# KiCad board Mainboard.kicad_pcb (continued)
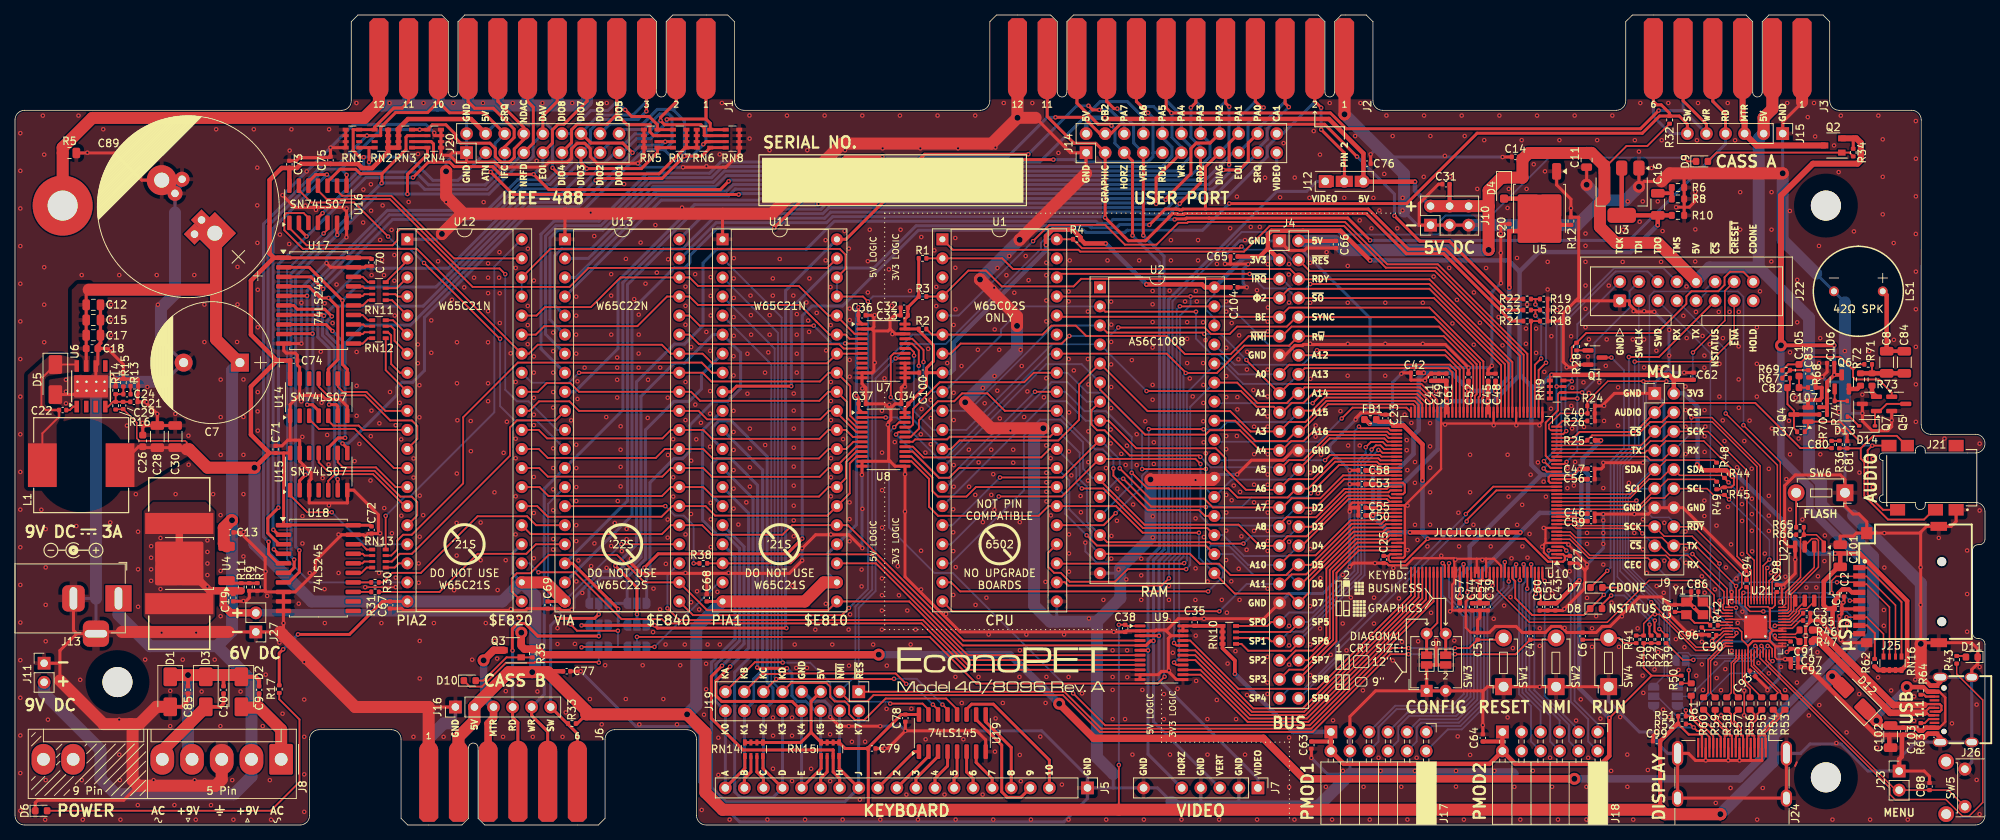
[diagram p0: board, top side]
## Routing (per net, layer and track width the routed paths; a pad name or vN(x,y) marks a point on that pad's centre or on a via; arc(x,y) is an arc through that point) (continued)
/IEEE/NDAC: length 101.1
  Top w0.4: 53.93,92.67 54.96,92.67 55.61,93.32 57.41,93.32 58.73,92.01 58.73,91.52 59.38,90.87 63.28,90.87 64,90.15 64,89.08 64.74,88.35 65.9,88.35 66.52,88.97 66.52,90.1 67.8,91.37 J20.8 67.8,92.98 64.34,96.44 J1.8 ; 53.93,92.67 52.9,92.67 ; 53.93,92.67 v1(53.93,92.67) ; U18.4 35.09,36.14 v1(34.49,36.74) ; v1(44.19,86.64) 44.18,86.63 U16.8
  Bottom w0.4: 43.45,87.42 48.71,92.67 v1(53.93,92.67) ; 43.45,87.42 44.19,86.68 v1(44.19,86.64) ; 43.45,87.42 41.29,87.42 33.72,79.84 33.72,38.8 34.49,38.03 v1(34.49,36.74)
/IEEE/NDAC_IN: length 34.4
  Top w0.25: RN13.6 50.22,35.11 51.25,36.14 52.88,36.14 65.96,49.22 65.96,52.99 66.89,53.92 72.01,53.92 U13.10
/IEEE/NDAC_OUT: length 29
  Top w0.25: U12.39 58.49,75.51 50.14,83.86 43.59,83.86 42.91,84.54 U16.9
/IEEE/NRFD: length 107.8
  Top w0.4: 48.89,86.79 46.01,86.79 45.4,87.39 43.32,87.39 41.64,85.71 U16.10 ; 48.89,86.79 52.1,90 52.1,91.67 52.3,91.87 54.96,91.87 ; 48.89,86.79 48.89,85.58 v1(48.85,85.53) ; J1.7 68.3,96.43 69.07,95.66 69.07,90.87 J20.7 ; U18.6 36.51,33.6 37.2,34.29 v1(37.2,35.37)
  Bottom w0.4: J20.7 62.92,84.72 54.59,84.72 53.75,85.56 48.88,85.56 v1(48.85,85.53) 48.83,85.53 36.79,73.48 36.79,35.78 v1(37.2,35.37)
/IEEE/NRFD_IN: length 28.9
  Top w0.25: R30.2 49.01,32.33 50.28,33.6 54.09,33.6 61.63,41.14 68.24,41.14 69.43,39.95 U13.16
/IEEE/NRFD_OUT: length 55.8
  Top w0.25: v1(65.33,73.41) 64.57,74.17 59.2,74.17 49.96,83.41 41.53,83.41 40.37,84.57 U16.11
  Bottom w0.25: U13.11 72.24,52.65 68.43,56.46 66.88,56.46 65.33,58.01 v1(65.33,73.41)
/IEEE/SRQ: length 212.6
  Top w0.4: v1(63.37,87.03) 66.37,84.03 96.42,84.03 v1(96.43,84.02) ; J2.3 169.24,96.18 v1(169.74,95.68) ; J1.10 56.41,96.39 ; 56.41,96.39 54.98,94.95 50.71,94.95 48.72,92.96 48.72,91.87 48.72,91.87 v1(46.89,91.87) 45.86,91.87 ; 56.41,96.39 57.88,94.92 62.47,94.92 J20.6 ; U18.5 35.04,34.87 33.79,36.13 v1(33.79,37.74)
  Bottom w0.4: v1(63.37,87.03) 63.98,87.64 63.98,90.87 J20.6 ; v1(96.43,84.02) 96.55,84.15 160.13,84.15 J14.19 165.58,90.09 166.85,91.36 166.85,92.8 v1(169.74,95.68) ; v1(46.89,91.87) 43.07,88.05 41.08,88.05 33.11,80.08 33.11,38.42 v1(33.79,37.74)
/IEEE/SRQ_IN: length 3.1
  Top w0.25: RN13.5 50.59,34.31 51.15,34.87 U12.18
/IO/BA0: length 50.6
  Top w0.25: U7.3 111.87,65.45 109.52,67.8 U11.36 108.39,67.89 104.44,71.85 91.01,71.85 89.89,72.97 U13.38 80.69,72.97 76.74,69.02 70.62,69.02 69.49,67.89 U12.36
/IO/BA1: length 49.8
  Top w0.25: U7.4 111.19,64.8 110.64,65.35 U11.35 108.53,65.35 106.81,67.07 106.81,67.07 104.58,69.31 91,69.31 89.88,70.43 U13.37 86.88,70.43 82.93,66.48 70.53,66.48 69.4,65.35 U12.35
/IO/BA2: length 25.9
  Top w0.25: v1(110.62,64.18) 110.65,64.15 U7.5 ; U13.36 89.89,67.89 91.23,66.55 v1(106.42,66.55)
  Bottom w0.25: v1(110.62,64.18) 108.79,64.18 v1(106.42,66.55)
/IO/BA3: length 25.1
  Top w0.25: U7.6 110.42,63.5 109.84,64.08 91.15,64.08 89.88,65.35 U13.35
/IO/BD0: length 52.5
  Top w0.25: U8.3 112.17,53.67 111.3,54.54 111.3,58.49 U11.33 108.42,60.27 107.25,59.11 92.79,59.11 91.62,60.27 88.52,60.27 U13.33 v1(75.16,60.27)
  Bottom w0.25: U12.33 68.85,58.94 73.83,58.94 v1(75.16,60.27)
/IO/BD1: length 50.5
  Top w0.25: U8.4 112.13,53.02 110.85,54.3 110.85,56.4 U11.32 108.38,57.73 107.18,56.53 91.29,56.53 90.1,57.73 U13.32 75.16,57.73 74,58.89 70.84,58.89 69.68,57.73 U12.32
/IO/BD2: length 48.6
  Top w0.25: U8.5 112.09,52.37 109.52,54.94 U11.31 108.44,55.19 107.31,54.07 92.21,54.07 91.09,55.19 U13.31 75.15,55.19 73.88,56.46 69.83,56.46 68.56,55.19 U12.31
/IO/BD3: length 47.6
  Top w0.25: U12.30 69.78,52.65 70.9,51.53 86.26,51.53 87.39,52.65 U13.30 91.71,52.65 92.89,51.47 107.21,51.47 108.39,52.65 U11.30 110.71,52.65 111.65,51.72 U8.6
/IO/BD4: length 47.8
  Top w0.25: U12.29 69.79,50.11 70.98,48.92 85.39,48.92 86.58,50.11 U13.29 91.71,50.11 92.97,48.85 107.13,48.85 108.39,50.11 U11.29 110.76,50.11 111.71,51.07 U8.7
/IO/BD5: length 48.6
  Top w0.25: U12.28 69.86,47.57 71,46.43 86.25,46.43 87.39,47.57 U13.28 91.71,47.57 92.87,46.41 107.23,46.41 108.39,47.57 U11.28 109.52,47.85 112.08,50.42 U8.8
/IO/BD6: length 50.6
  Top w0.25: U8.9 112.12,49.77 110.71,48.36 110.71,46.23 U11.27 108.39,45.03 107.13,43.77 92.98,43.77 91.72,45.03 U13.27 87.4,45.03 86.21,43.84 71.09,43.84 69.9,45.03 U12.27
/IO/BD7: length 52.6
  Top w0.25: U8.10 112.15,49.12 111.23,48.19 111.23,44.2 109.52,42.49 U11.26 108.26,41.23 93.29,41.23 92.03,42.49 U13.26 87.57,42.49 86.16,41.08 71,41.08 69.59,42.49 U12.26
/IO/BPHI2: length 90.8
  Top w0.25: U9.4 126.36,24.58 110.98,39.95 U11.25 103.55,39.95 102.28,38.69 92.84,38.69 91.58,39.95 U13.25 87.39,39.95 86.2,38.77 68.7,38.77 U12.25
/IO/BR~{W}: length 95.4
  Top w0.25: U9.8 126.97,21.98 119.16,29.79 U11.21 108.36,28.64 92.21,28.64 U13.22 83.89,32.33 80.22,36 71.12,36 68.67,33.55 66.86,33.55 66.19,32.88 66.19,31.12 U12.21
/IO/BVERT: length 166
  Top w0.25: R38.2 U11.18 103.36,34.87 104.56,36.07 114.15,36.07 126.29,23.93 U9.5
  Top w0.4: J14.7 v1(150.34,78.57) ; v1(151.71,24.53) 151.3,24.53 150.7,23.93 U9.5 ; v1(146.88,95.47) 146.44,95.47 145.47,96.44 J2.9
  Bottom w0.4: J14.7 149.07,90.87 149.07,93.28 v1(146.88,95.47) ; v1(150.34,78.57) 153.11,75.8 153.11,70.27 153.11,36.71 151.71,35.31 v1(151.71,24.53) 151.71,13.78 J7.3
/IO/B~{PIA1_CS}: length 45.5
  Top w0.25: U11.23 114.71,34.87 126.95,22.63 U9.7
/IO/B~{PIA2_CS}: length 88.3
  Top w0.25: v1(69.76,33.68) 74.58,33.68 80.82,27.44 86.21,27.44 86.78,26.86 120.79,26.86 126.98,20.68 U9.10
  Bottom w0.25: U12.23 68.57,34.87 v1(69.76,33.68)
/IO/B~{VIA_CS}: length 72.7
  Top w0.25: v1(86.94,28.87) 88.49,27.31 120.98,27.31 126.96,21.33 U9.9
  Bottom w0.25: v1(86.94,28.87) 86.94,33.29 U13.23
/IO/DIAG: length 146.2
  Top w0.4: U11.9 95.41,57.73 96.16,58.48 v1(103.43,58.48) ; 158.62,82.09 158.62,87.72 J14.15 ; 158.62,82.09 180.33,82.09 185.68,76.74 190.63,76.74 198.74,68.63 R23.2 ; 158.62,82.09 155.61,82.09 155.5,81.97 155.16,81.97 155.08,82.06 154.78,82.06 154.76,82.09 153.26,82.09 v1(151.15,79.97) ; v1(161.8,95.73) 161.32,96.21 J2.5
  Bottom w0.4: v1(103.43,58.48) 103.43,68.86 108.82,74.24 114.45,74.24 120.07,79.86 143.12,79.86 143.39,79.59 146.77,79.59 147.2,80.02 151.1,80.02 v1(151.15,79.97) ; J14.15 161.79,90.88 161.79,95.72 v1(161.8,95.73)
/IO/GRAPHIC: length 145.6
  Top w0.4: R21.2 199.35,67.16 190.37,76.14 185.41,76.14 180.06,81.49 158.87,81.49 155.86,81.49 155.75,81.37 154.92,81.37 154.83,81.46 154.54,81.46 154.51,81.49 154.27,81.49 154.25,81.46 154.2,81.46 153.76,81.02 153.76,80.97 150.65,77.86 148.34,77.86 v1(145.26,80.94) J14.3 144.01,90.85 141.12,90.85 137.54,94.43 J2.11
  Bottom w0.4: U13.39 88.68,75.51 93.43,80.27 108.14,80.27 108.94,81.07 145.14,81.07 v1(145.26,80.94)
/IO/KEY_COL0: length 61.3
  Top w0.4: RN14.1 97.26,7.56 94.65,4.95 J5.20
  Bottom w0.4: U11.10 94.21,55.19 91.62,52.6 91.62,40.63 93.57,38.68 94.7,38.68 94.7,38.68 94.71,38.68 96.55,36.84 96.55,24.55 93.4,21.4 93.4,16.47 J19.16 J5.20
/IO/KEY_COL1: length 55.5
  Top w0.4: RN14.2 98.06,7.07 97.19,6.2 J5.19
  Bottom w0.4: U11.11 99.62,47.31 99.62,20.64 98.44,19.45 98.44,16.47 J19.14 J5.19
/IO/KEY_COL2: length 62.7
  Top w0.4: RN14.3 98.86,7.07 99.73,6.2 J5.18
  Bottom w0.4: U11.12 92.89,51.5 92.89,52.97 93.79,53.86 95.47,53.86 100.22,49.1 100.22,19.03 100.98,18.27 100.98,16.47 J19.12 J5.18
/IO/KEY_COL3: length 68.7
  Top w0.4: RN14.4 99.66,7.55 102.26,4.94 J5.17
  Bottom w0.4: J19.10 J5.17 101.02,3.69 96.63,3.69 95.9,4.42 95.9,20.36 98.35,22.81 98.35,43.5 U11.13
/IO/KEY_COL4: length 58.9
  Top w0.4: v1(95.29,21.1) 93.39,19.2 93.39,17.24 94.16,16.47 103.56,16.47 J19.8 ; RN15.1 107.42,7.55 104.82,4.94 J5.16
  Bottom w0.4: U11.14 97.75,41.56 97.75,23.56 v1(95.29,21.1) ; J19.8 J5.16
/IO/KEY_COL5: length 66.7
  Top w0.4: v1(102.86,20.89) 102.85,20.88 99,20.88 v1(98.89,20.99) ; RN15.2 108.22,7.07 107.35,6.2 J5.15
  Bottom w0.4: 107.35,13.97 107.35,14.49 105.35,16.49 104.24,16.49 103.52,17.21 103.52,20.23 v1(102.86,20.89) ; 107.35,13.97 J5.15 ; 107.35,13.97 J19.6 ; v1(98.89,20.99) 98.95,21.05 98.95,45.28 95.4,48.83 93.55,48.83 92.88,48.16 92.88,43.89 U11.15
/IO/KEY_COL6: length 62.4
  Top w0.4: J5.14 109.89,6.2 109.02,7.07 RN15.3 109.02,10 109.02,10 97.01,10 92.79,14.22 92.79,19.8 v1(94.21,21.22)
  Bottom w0.4: J5.14 J19.4 ; v1(94.21,21.22) 97.15,24.16 97.15,37.09 94.29,39.95 U11.16
/IO/KEY_COL7: length 71.2
  Top w0.4: J5.13 112.41,4.94 109.82,7.54 RN15.4
  Bottom w0.4: J19.2 J5.13 110.58,3.09 94.73,3.09 92.8,5.02 92.8,21.65 95.95,24.8 95.95,35.74 U11.17
/IO/KEY_ROW0: length 90.1
  Top w0.25: v1(116.62,16.18) 120.93,16.18 121.72,15.39 U19.15 ; J19.15 98.59,21.7 102.24,21.7 v1(102.3,21.64)
  Bottom w0.25: U11.2 102.15,67.64 102.15,21.78 v1(102.3,21.64) 105.94,21.64 108.62,18.96 108.62,17.36 109.56,16.42 116.38,16.42 v1(116.62,16.18)
/IO/KEY_ROW1: length 85.6
  Top w0.25: U19.14 122.99,15.36 v1(122.31,16.04) ; J19.13 99.56,20.13 v1(102.2,20.13) 102.27,20.2 117.35,20.2 v1(118.75,18.8)
  Bottom w0.25: U11.3 101.67,65.58 101.67,20.66 v1(102.2,20.13) ; v1(122.31,16.04) 119.55,18.8 v1(118.75,18.8)
/IO/KEY_ROW2: length 81.5
  Top w0.25: v1(123.59,16.04) 124.26,15.37 U19.13 ; J19.11 101.42,19.45 v1(101.43,19.45) 117.1,19.45 v1(117.13,19.48)
  Bottom w0.25: U11.4 101.22,63.49 101.22,19.66 v1(101.43,19.45) ; v1(123.59,16.04) 120.15,19.48 v1(117.13,19.48)
/IO/KEY_ROW3: length 83.2
  Top w0.25: U19.12 125.53,15.41 124.08,16.86 116.01,16.86 113.16,14 111.92,14 111.15,14.77 111.15,15.89 110.57,16.47 109.23,16.47 108.64,17.06 108.64,18.41 108.11,18.93 103.45,18.93 J19.9
  Bottom w0.25: J19.9 102.24,17.76 100.77,19.22 100.77,61.4 U11.5
/IO/VIA_CA1: length 95.1
  Bottom w0.4: U13.40 91.93,81.47 107.64,81.47 108.44,82.27 150.21,82.27 150.46,82.03 153.35,82.03 154.87,83.55 161.33,83.55 166.85,89.07 166.85,90.38 168.12,91.65 J14.22 168.95,92.14 173.2,96.4 J2.B
/IO/VIA_CB2: length 186.4
  Top w0.4: v1(138.64,94.32) 142.38,94.32 144.56,92.14 J14.4 146.03,92.14 147.28,93.39 174.5,93.39 v1(178.82,89.07) ; v1(101.15,79.56) 101.15,79.57 110.67,89.09 v1(115.57,89.09) ; R22.2 198.84,70.1 191.13,77.81 187.19,77.81 v1(183.81,81.19)
  Bottom w0.4: v1(101.15,79.56) 93.61,79.56 89.92,75.87 89.92,74.93 89.23,74.24 87.8,74.24 82.21,68.64 82.21,41.26 U13.19 ; v1(115.57,89.09) 132.33,89.09 137.54,94.3 ; v1(178.82,89.07) 183.81,84.08 v1(183.81,81.19) ; 137.54,94.3 138.63,94.3 v1(138.64,94.32) ; 137.54,94.3 J2.M
/IO/VIA_PA0: length 108
  Top w0.4: v1(161.02,87.3) 163.14,87.3 164.33,88.5 164.33,90.89 J14.20
  Bottom w0.4: v1(161.02,87.3) 159.07,85.35 95.71,85.35 94.83,84.47 85.36,84.47 76.4,75.51 U13.2 ; J2.C 169.24,96.4 165.58,92.75 J14.20
/IO/VIA_PA1: length 106.8
  Top w0.4: v1(161.78,88) 161.78,90.87 J14.18
  Bottom w0.4: J2.D 165.28,96.42 163.04,94.19 J14.18 ; v1(161.78,88) 161.78,86.92 159.6,84.75 95.96,84.75 95.07,83.87 85.64,83.87 74.75,72.97 U13.3
/IO/VIA_PA2: length 104.6
  Top w0.4: J14.16 159.25,90.89 157.41,90.89 156.69,90.16 156.69,86.82 153.33,83.45 v1(153.33,83.33)
  Bottom w0.4: J14.16 160.5,95.63 161.32,96.44 J2.E ; U13.4 86.11,83.27 99.12,83.27 99.33,83.48 153.18,83.48 v1(153.33,83.33)
/IO/VIA_PA3: length 111
  Bottom w0.4: J2.F 157.35,96.44 157.96,95.84 157.96,93.39 J14.14 159.23,90.87 159.23,89.08 156.7,86.55 94.79,86.55 93.31,85.07 85.06,85.07 76.77,76.78 72.82,76.78 71.89,75.85 71.89,69.28 U13.5
/IO/VIA_PA4: length 113.9
  Bottom w0.4: J2.H 153.39,96.58 155.42,94.55 J14.12 155.42,91.67 156.57,90.52 156.68,90.41 156.68,89.07 154.76,87.15 94.54,87.15 93.06,85.67 84.72,85.67 78.31,79.27 72.33,79.27 71.29,78.23 71.29,67.34 U13.6
/IO/VIA_PA5: length 116.4
  Bottom w0.4: U13.7 70.69,65.4 70.69,78.48 72.08,79.87 78.07,79.87 84.47,86.27 92.81,86.27 94.29,87.75 152.8,87.75 154.15,89.1 154.15,90.34 152.88,91.61 J14.10 152.88,94.59 151.72,95.75 150.1,95.75 149.43,96.42 J2.J
/IO/VIA_PA6: length 112
  Bottom w0.4: 145.47,96.4 144.59,96.4 136.55,88.36 94.05,88.36 92.56,86.87 84.22,86.87 77.82,80.47 71.83,80.47 70.09,78.73 70.09,63.46 U13.8 ; 145.47,96.4 J2.K ; 145.47,96.4 145.47,96.39 148.25,96.39 150.34,94.3 J14.8
/IO/VIA_PA7: length 100
  Top w0.4: v1(144.48,95.3) 143.59,95.3 v1(143.04,95.85) ; v1(107.08,82.78) 114.6,82.78 121.21,89.39 v1(135.03,89.39)
  Bottom w0.4: J2.L 141.5,95.87 ; 141.5,95.87 141.52,95.85 v1(143.04,95.85) ; 141.5,95.87 v1(135.03,89.39) ; J14.6 147.8,93.42 145.93,95.3 v1(144.48,95.3) ; U13.9 74.6,57.73 80.35,63.48 80.35,72.48 90.53,82.67 106.97,82.67 v1(107.08,82.78)
/Keyboard/R0: length 7.5
  Top w0.4: J5.12 119.8,9.77 U19.1
/Keyboard/R1: length 6.6
  Top w0.4: U19.2 121.72,9.16 J5.11
/Keyboard/R2: length 6
  Top w0.4: J5.10 120.05,6.2 122.99,9.14 U19.3
/Keyboard/R3: length 5.5
  Top w0.4: J5.9 122.59,6.2 124.26,7.87 U19.4
/Keyboard/R4: length 5
  Top w0.4: U19.5 125.53,6.6 125.13,6.2 J5.8
/Keyboard/R5: length 5.2
  Top w0.4: J5.7 127.67,6.2 126.8,7.06 U19.6
/Keyboard/R6: length 5.7
  Top w0.4: U19.7 128.07,8.33 130.21,6.2 J5.6
/Keyboard/R7: length 11.2
  Top w0.4: U19.9 129.34,13.75 132.75,10.34 J5.5
/Keyboard/R8: length 16.3
  Top w0.4: J5.4 134.02,3.68 132.23,3.68 131.48,4.43 131.48,10.64 128.07,14.05 U19.10
/Keyboard/R9: length 18.8
  Top w0.4: J5.3 137.83,8.65 130.38,16.1 127.47,16.1 126.8,15.43 U19.11
/MAGIC/BHORIZ: length 102.1
  Top w0.4: U9.6 150.97,23.28 v1(150.97,23.28) ; v1(148.91,78.57) 148.91,88.5 147.81,89.6 J14.5 ; v1(146.1,93.2) 145.92,93.39 144.33,93.39 141.5,96.21 J2.10
  Bottom w0.4: J14.5 146.55,90.85 146.55,92.75 v1(146.1,93.2) ; J7.5 150.97,9.43 v1(150.97,23.28) 150.97,35.43 152.51,36.96 152.51,74.97 v1(148.91,78.57)
/MAGIC/BVIDEO: length 106.2
  Top w0.4: U9.3 152.41,25.23 v1(152.43,25.21)
  Bottom w0.4: J14.21 168.12,84.44 ; 168.12,84.44 172.11,84.44 173.45,85.78 J12.1 ; 168.12,84.44 153.8,70.12 153.8,70.12 153.71,70.02 153.71,36.46 152.43,35.19 v1(152.43,25.21) 152.43,19.35 165.62,6.16 J7.1
/MAGIC/FPGA/AUDIO: length 41
  Top w0.25: C80.1 237.91,50.23 231.89,56.25 219.76,56.25 215.89,52.38 208.47,52.38 207.68,51.59 205.44,51.59
/MAGIC/FPGA/BE: length 67.3
  Top w0.25: 195.52,55.01 195.52,56.88 195.66,57.02 195.66,61.78 188.49,68.95 169.76,68.95 168.5,67.69 168.45,67.73 138.98,67.73 U1.36
/MAGIC/FPGA/CBUS0: length 41.3
  Top w0.25: v1(179.98,50.35) 180.68,51.05 182.24,51.05 182.7,50.59 U10.78 ; J4.42 171.04,26.89 169.88,25.73 RN10.3
  Bottom w0.25: J4.42 172.3,27.05 178.93,33.67 178.93,48.5 179.98,49.56 v1(179.98,50.35)
/MAGIC/FPGA/CBUS1: length 41.5
  Top w0.25: v1(180.78,50.03) 181.34,50.6 181.94,50.6 182.46,50.09 184.1,50.09 ; RN10.2 166.94,24.93 167.39,24.48 168.47,24.48 J4.43
  Bottom w0.25: J4.43 169.75,25.76 171.66,25.76 179.38,33.48 179.38,48.31 180.78,49.71 v1(180.78,50.03)
/MAGIC/FPGA/CBUS2: length 41.9
  Top w0.25: v1(181.68,49.98) 181.83,49.98 182.22,49.59 184.1,49.59 ; RN10.1 163.42,24.13 164.33,23.22 169.99,23.22 171.04,24.26 J4.44
  Bottom w0.25: J4.44 179.83,33.3 179.83,48.13 v1(181.68,49.98)
/MAGIC/FPGA/CDONE: length 44.3
  Top w0.25: v1(206.7,52.5) 206.3,52.09 205.44,52.09 ; J22.16 230.29,73.73 228.53,73.73 227.8,73 227.8,71.97 226.96,71.13 223.38,71.13 222.71,70.46 222.71,69.44 218.82,65.56 209.36,65.56 R28.2 207.43,63.63 207.43,61.97 v1(207.45,61.95) ; v1(207.45,59.14) 207.34,59.24 RN9.4
  Bottom w0.25: v1(207.45,61.95) v1(207.45,59.14) 206.6,58.29 206.6,52.6 v1(206.7,52.5)
/MAGIC/FPGA/CEC: length 41.5
  Top w0.2: J9.19 217.59,35.57 209.71,35.57 207.19,38.09 205.44,38.09 ; v1(231.89,23.86) 231.94,23.86 232.14,23.66 U21.36
  Bottom w0.2: J9.19 220.5,32.66 220.5,22.76 JP7.1 221.32,22.6 221.67,22.95 222.94,22.95 223.3,22.59 230.62,22.59 v1(231.89,23.86)
/MAGIC/FPGA/CSI: length 17.2
  Top w0.25: 221.04,54.99 220.75,54.99 219.48,53.72 217.89,53.72 216.11,51.93 210.16,51.93 R25.1 209.32,51.09 205.44,51.09
/MAGIC/FPGA/DIAG: length 15.5
  Top w0.25: v1(203.36,62.17) 202.52,61.34 U10.39 ; v1(202.6,67.9) 202.6,68.63 ; 202.6,68.63 R20.1 ; 202.6,68.63 R23.1
  Bottom w0.25: v1(203.36,62.17) 203.36,67.14 v1(202.6,67.9)
/MAGIC/FPGA/FPGA_CLK: length 40.6
  Top w0.2: 197.52,33.67 197.52,31.29 201.79,27.02 212.16,27.02 217.74,32.59 224.45,32.59 226.4,30.64 226.4,28.39 226.97,27.81 U21.18
/MAGIC/FPGA/GRAPHICS: length 13.4
  Top w0.25: 202.02,55.01 202.02,67.14 R21.1 R18.1
/MAGIC/FPGA/I2C0_SCL: length 54.9
  Top w0.2: 205.44,42.59 216.48,42.59 218.5,44.61 218.5,44.83 218.99,44.83 220.23,46.06 226.44,46.06 R49.2
  Bottom w0.2: 218.5,44.83 216.1,44.83 214.97,43.69 214.97,34.54 220.14,29.37 220.14,19.81 JP9.1
/MAGIC/FPGA/I2C0_SDA: length 56.8
  Top w0.2: R48.2 226.39,48.63 220.02,48.63 218.75,47.37 218.5,47.37 215.22,44.09 205.44,44.09
  Bottom w0.2: 218.5,47.37 218.13,47.37 214.6,43.83 214.6,34.41 219.76,29.25 219.76,19.87 JP8.1
/MAGIC/FPGA/I2C1_SCL: length 40.7
  Top w0.2: U21.5 232.94,34.54 v1(233.77,35.37) ; 205.44,42.09 216.48,42.09 217.96,43.57 219.78,43.57 221.04,44.83 225.47,44.83 226.32,43.98 R45.2 227.8,43.98 v1(228.39,43.39)
  Bottom w0.2: v1(233.77,35.37) 233.77,38.01 v1(228.39,43.39)
/MAGIC/FPGA/I2C1_SDA: length 44.6
  Top w0.2: 205.44,43.59 215.23,43.59 217.73,46.09 219.25,46.09 220.52,47.37 221.04,47.37 221.8,46.6 227.39,46.6 v1(228.32,45.66) 228.32,45.72 R44.2 ; v1(233.49,34.26) 233.34,34.11 U21.4
  Bottom w0.2: v1(228.32,45.66) 234.38,39.61 234.38,35.15 v1(233.49,34.26)
/MAGIC/FPGA/L12: length 49.7
  Top w0.25: 205.44,45.09 196.97,45.09 v1(193.33,41.44)
  Bottom w0.25: J4.49 169.73,18.12 171.76,18.12 176,22.36 176,23.98 193.33,41.31 v1(193.33,41.44)
/MAGIC/FPGA/L13: length 46.7
  Top w0.25: 205.44,44.59 197.39,44.59 193.44,40.64 v1(193.44,40.46)
  Bottom w0.25: v1(193.44,40.46) 176.41,23.43 176.41,22.19 171.1,16.89 J4.50
/MAGIC/FPGA/NSTATUS: length 65.1
  Top w0.25: J22.11 219.06,62.38 215.06,62.38 v1(215.05,62.37) ; v1(211.71,30.67) 211.71,30.66 D8.1 209.03,27.98 202.16,27.98 199.91,30.23 199.91,32.49 199.52,32.87 199.52,33.67
  Bottom w0.25: v1(215.05,62.37) 215.05,50.26 213.08,48.29 213.08,32.03 v1(211.71,30.67)
/MAGIC/FPGA/PMOD1_1: length 28
  Top w0.25: v1(199.04,32.47) 199.02,32.48 199.02,33.67
  Bottom w0.25: J17.1 188.83,13.19 192.61,13.19 195.75,16.33 195.75,28.38 199.04,31.67 v1(199.04,32.47)
/MAGIC/FPGA/PMOD1_2: length 29
  Top w0.25: 197.02,33.67 197.02,32.04 v1(196.89,31.9)
  Bottom w0.25: v1(196.89,31.9) 196.85,31.9 194.85,29.9 194.85,16.7 192.23,14.09 187.19,14.09 J17.2
/MAGIC/FPGA/PMOD1_3: length 33.1
  Top w0.25: 193.02,33.67 v1(193.02,34.76)
  Bottom w0.25: v1(193.02,34.76) 191.84,33.58 191.84,30.24 193.95,28.13 193.95,17.08 191.86,14.99 185.55,14.99 J17.3
/MAGIC/FPGA/PMOD1_4: length 34.7
  Top w0.25: 190.52,33.67 190.52,34.61 v1(190.23,34.91)
  Bottom w0.25: v1(190.23,34.91) 190.23,30.58 193.05,27.76 193.05,17.45 191.49,15.89 183.91,15.89 J17.4
/MAGIC/FPGA/PMOD1_5: length 32
  Top w0.25: 200.02,33.67 v1(200.02,34.75)
  Bottom w0.25: v1(200.02,34.75) 199.71,34.43 199.71,31.7 196.2,28.19 196.2,16.15 192.79,12.74 190.92,12.74 J17.7
/MAGIC/FPGA/PMOD1_6: length 34.9
  Top w0.25: v1(198.52,35.03) 198.52,35.03 198.52,33.67
  Bottom w0.25: v1(198.52,35.03) 198.36,34.88 198.36,31.62 195.3,28.56 195.3,16.52 192.42,13.64 187.38,13.64 186.77,13.03 186.77,11.13 J17.8
/MAGIC/FPGA/PMOD1_7: length 32.6
  Top w0.25: 193.52,33.67 v1(193.52,31.01)
  Bottom w0.25: J17.9 184.32,11.23 184.32,13.11 185.76,14.54 192.05,14.54 194.4,16.89 194.4,28.32 193.52,29.19 v1(193.52,31.01)
/MAGIC/FPGA/PMOD1_8: length 37.1
  Top w0.25: v1(191.08,34.89) 191.02,34.83 191.02,33.67
  Bottom w0.25: v1(191.08,34.89) 191.08,30.36 193.5,27.95 193.5,17.26 191.67,15.44 184.09,15.44 181.69,13.03 181.69,11.13 J17.10
/MAGIC/FPGA/PMOD2_1: length 27.4
  Top w0.25: v1(206.71,36.57) 206.71,36.62 206.24,37.09 205.44,37.09
  Bottom w0.25: v1(206.71,36.57) 207.82,35.47 207.82,16.54 210.9,13.46 J18.1
/MAGIC/FPGA/PMOD2_2: length 23.3
  Top w0.25: v1(203.83,32.54) 203.52,32.85 203.52,33.67
  Bottom w0.25: J18.2 208.36,12.69 203.83,17.22 v1(203.83,32.54)
/MAGIC/FPGA/PMOD2_3: length 25.3
  Top w0.25: 202.02,33.67 v1(202.02,34.75)
  Bottom w0.25: J18.3 205.82,13.96 201.78,18 201.78,30.82 202.18,31.22 202.18,34.59 v1(202.02,34.75)
/MAGIC/FPGA/PMOD2_4: length 24.7
  Top w0.25: 201.02,33.67 v1(201.02,34.75)
  Bottom w0.25: v1(201.02,34.75) 201.26,34.51 201.26,32.42 200.87,32.03 200.87,17.63 203.28,15.22 J18.4
/MAGIC/FPGA/PMOD2_5: length 30.5
  Top w0.25: v1(204.37,36.59) 205.44,36.59
  Bottom w0.25: J18.7 209.63,11.13 209.63,14.09 207.3,16.41 207.3,32.67 204.37,35.61 v1(204.37,36.59)
/MAGIC/FPGA/PMOD2_6: length 26.4
  Top w0.25: v1(202.64,30.79) 202.52,30.91 202.52,33.67
  Bottom w0.25: J18.8 207.06,11.16 207.06,13.35 202.45,17.96 202.45,30.59 v1(202.64,30.79)
/MAGIC/FPGA/PMOD2_7: length 25.8
  Top w0.25: v1(201.5,31.5) 201.52,31.52 201.52,33.67
  Bottom w0.25: v1(201.5,31.5) 201.32,31.32 201.32,17.82 204.56,14.58 204.56,11.12 J18.9
/MAGIC/FPGA/PMOD2_8: length 25
  Top w0.25: v1(200.52,32.63) 200.52,33.67
  Bottom w0.25: J18.10 202.01,11.13 202.01,15.85 200.42,17.44 200.42,32.52 v1(200.52,32.63)
/MAGIC/FPGA/R94: length 25.5
  Top w0.25: 184.1,36.59 179.07,36.59 176.09,33.61 176.09,24.48 J4.48
/MAGIC/FPGA/R95: length 28.3
  Top w0.25: 184.1,37.09 178.93,37.09 175.64,33.8 175.64,24.67 171.67,20.7 169.77,20.7 J4.47
/MAGIC/FPGA/R104: length 25.1
  Top w0.25: 184.1,38.09 183.27,38.09 182.82,37.64 178.84,37.64 175.19,33.98 175.19,24.89 172.26,21.97 J4.46
/MAGIC/FPGA/R105: length 27.8
  Top w0.25: J4.45 169.38,21.97 170.65,23.24 172.9,23.24 174.74,25.08 174.74,34.17 178.66,38.09 182.64,38.09 183.14,38.59 184.1,38.59
/MAGIC/FPGA/RDY: length 90.6
  Top w0.25: 199.52,55.01 199.52,61.68 188.48,72.73 171.07,72.73 171.04,72.77 171.04,72.96 169.9,74.1 132.97,74.1 131.55,75.52 U1.2 R1.1
/MAGIC/FPGA/REF_RES: length 4.4
  Top w0.25: R26.2 206.2,53.85 205.44,53.09
/MAGIC/FPGA/S1: length 11.6
  Top w0.25: SW3.4 189.52,26.92 189.52,33.67
  Top w0.4: SW3.4 SW3.4
/MAGIC/FPGA/S2: length 11.3
  Top w0.25: SW3.3 190.02,26.12 190.02,33.67
  Top w0.4: SW3.3 SW3.3
/MAGIC/FPGA/SPI0_RX: length 51.4
  Top w0.2: 205.44,49.09 217.46,49.09 217.92,48.63 219.52,48.63 220.79,49.91 J9.8 ; U21.6 232.54,47.87 226.11,54.3 v1(223.38,54.3)
  Bottom w0.2: J9.8 223.38,52.25 v1(223.38,54.3)
/MAGIC/FPGA/SPI0_SCK: length 46.1
  Top w0.2: U21.8 231.74,35.28 230.78,36.24 230.78,47.25 225.58,52.45 J9.6 220.73,52.45 219.46,51.17 217.92,51.17 216.84,50.09 205.44,50.09
/MAGIC/FPGA/SPI0_TX: length 44.1
  Top w0.2: 205.44,49.59 217.15,49.59 217.46,49.91 J9.7 218.71,49.91 219.98,51.17 225.04,51.17 229.47,46.74 229.47,35.81 231.34,33.94 U21.9
/MAGIC/FPGA/SPI0_~{CS}: length 76.5
  Top w0.2: 205.44,50.59 216.64,50.59 J9.5 218.81,52.45 220.09,53.72 226.17,53.72 232.11,47.77 232.11,29.99 U21.7
  Bottom w0.2: J9.5 217.34,53.6 217.34,58.7 217.79,59.14 217.79,70.5 218.4,71.11 225,71.11 226.29,72.4 J22.12
/MAGIC/FPGA/SPI1_RX: length 55.5
  Top w0.2: v1(244.05,27.7) 244.05,27.7 J25.7 246.74,27.7 248.97,25.46 RN16.4 ; v1(223.52,36.12) 228.13,31.51 228.13,29.51 228.39,29.25 U21.15 229.27,29.01 v1(229.33,28.96) ; J9.20 221.04,34.87 219.98,35.93 209.85,35.93 207.19,38.59 205.44,38.59
  Bottom w0.2: J9.20 222.49,36.12 v1(223.52,36.12) ; v1(244.05,27.7) 243.49,27.14 230.42,27.14 229.33,28.23 v1(229.33,28.96)
/MAGIC/FPGA/SPI1_SCK: length 50.7
  Top w0.2: v1(227.12,29.89) 227.12,28.63 227.54,28.21 U21.17 ; 205.44,40.59 207.52,40.59 208.22,39.89 218.35,39.89 J9.15 219.76,38.48 223.48,38.48 v1(227.12,34.84) ; v1(244.49,29.9) 244.49,29.9 J25.5
  Bottom w0.2: v1(244.49,29.9) 244.02,30.36 227.6,30.36 v1(227.12,29.89) 227.12,34.83 v1(227.12,34.84)
/MAGIC/FPGA/SPI1_TX: length 57.6
  Top w0.2: RN16.3 249.77,29.03 246.71,32.1 J25.3 245.49,32.35 v1(242.78,32.35) ; 205.44,39.09 205.49,39.05 207.24,39.05 207.98,38.31 219.44,38.31 220.54,37.21 221.04,37.21 221.26,37.43 223.75,37.43 v1(229.33,31.85) 229.34,31.84 U21.14
  Bottom w0.2: v1(242.78,32.35) 229.83,32.35 v1(229.33,31.85)
/MAGIC/FPGA/SPI1_~{CS}: length 29.2
  Top w0.2: v1(216.84,38.87) 216.17,39.53 208.07,39.53 207.51,40.09 205.44,40.09 ; U21.16 227.78,28.61 227.59,28.81 227.59,29.36 227.72,29.49 227.72,31.09 222.88,35.93 220.49,35.93 219.21,37.21 218.5,37.21
  Bottom w0.2: 218.5,37.21 v1(216.84,38.87)
/MAGIC/FPGA/SPI1_~{READY}: length 32.8
  Top w0.2: J9.16 223.72,39.75 230.1,33.37 230.1,31.65 229.74,31.29 U21.13 ; 205.44,43.09 215.9,43.09 v1(216.06,43.24)
  Bottom w0.2: v1(216.06,43.24) 216.06,43.1 218.16,41 220.39,41 221.04,40.35 J9.16
/MAGIC/FPGA/SWCLK: length 56.5
  Top w0.2: U21.24 227.78,25.41 226.05,23.68 224.03,23.68 v1(218.02,29.69)
  Bottom w0.2: v1(218.02,29.69) 213.88,33.83 213.88,47.93 216.38,50.43 J22.3
/MAGIC/FPGA/SWD: length 50
  Top w0.2: v1(229.39,25.59) 229.39,25.39 229.01,25.01 U21.25
  Bottom w0.2: J22.5 225.92,62.86 225.92,29.06 v1(229.39,25.59)
/MAGIC/FPGA/SYNC: length 83.5
  Top w0.25: U1.7 124.66,62.82 126.01,64.16 139.48,64.16 v1(140.49,65.17) ; 195.02,55.01 195.02,57.01 195.21,57.2 195.21,61.59 189.12,67.69 170.73,67.69 169.47,66.42 162.84,66.42 161.86,65.45 159.36,65.45 158.5,66.3 v1(147.02,66.3)
  Bottom w0.25: v1(147.02,66.3) 145.89,65.17 v1(140.49,65.17)
/MAGIC/FPGA/TCK: length 30.2
  Top w0.25: v1(206.75,48.4) 206.44,48.09 205.44,48.09 ; v1(208.18,56.84) RN9.1
  Bottom w0.25: v1(206.75,48.4) 208.18,49.83 v1(208.18,56.84) 208.18,66.74 J22.2
